# Altium PCB PCB1.PcbDoc (part 2 of 4)
Units mil, origin at the board's own origin, x right, y up, seen from the top; angles counter-clockwise.
Board outline 6000 x 4000 mil, 2 copper layers (Top Layer, Bottom Layer); 926 components, 952 nets, 4644 pads, 239 vias.
Unrouted connection lines stored in the file: 3361.
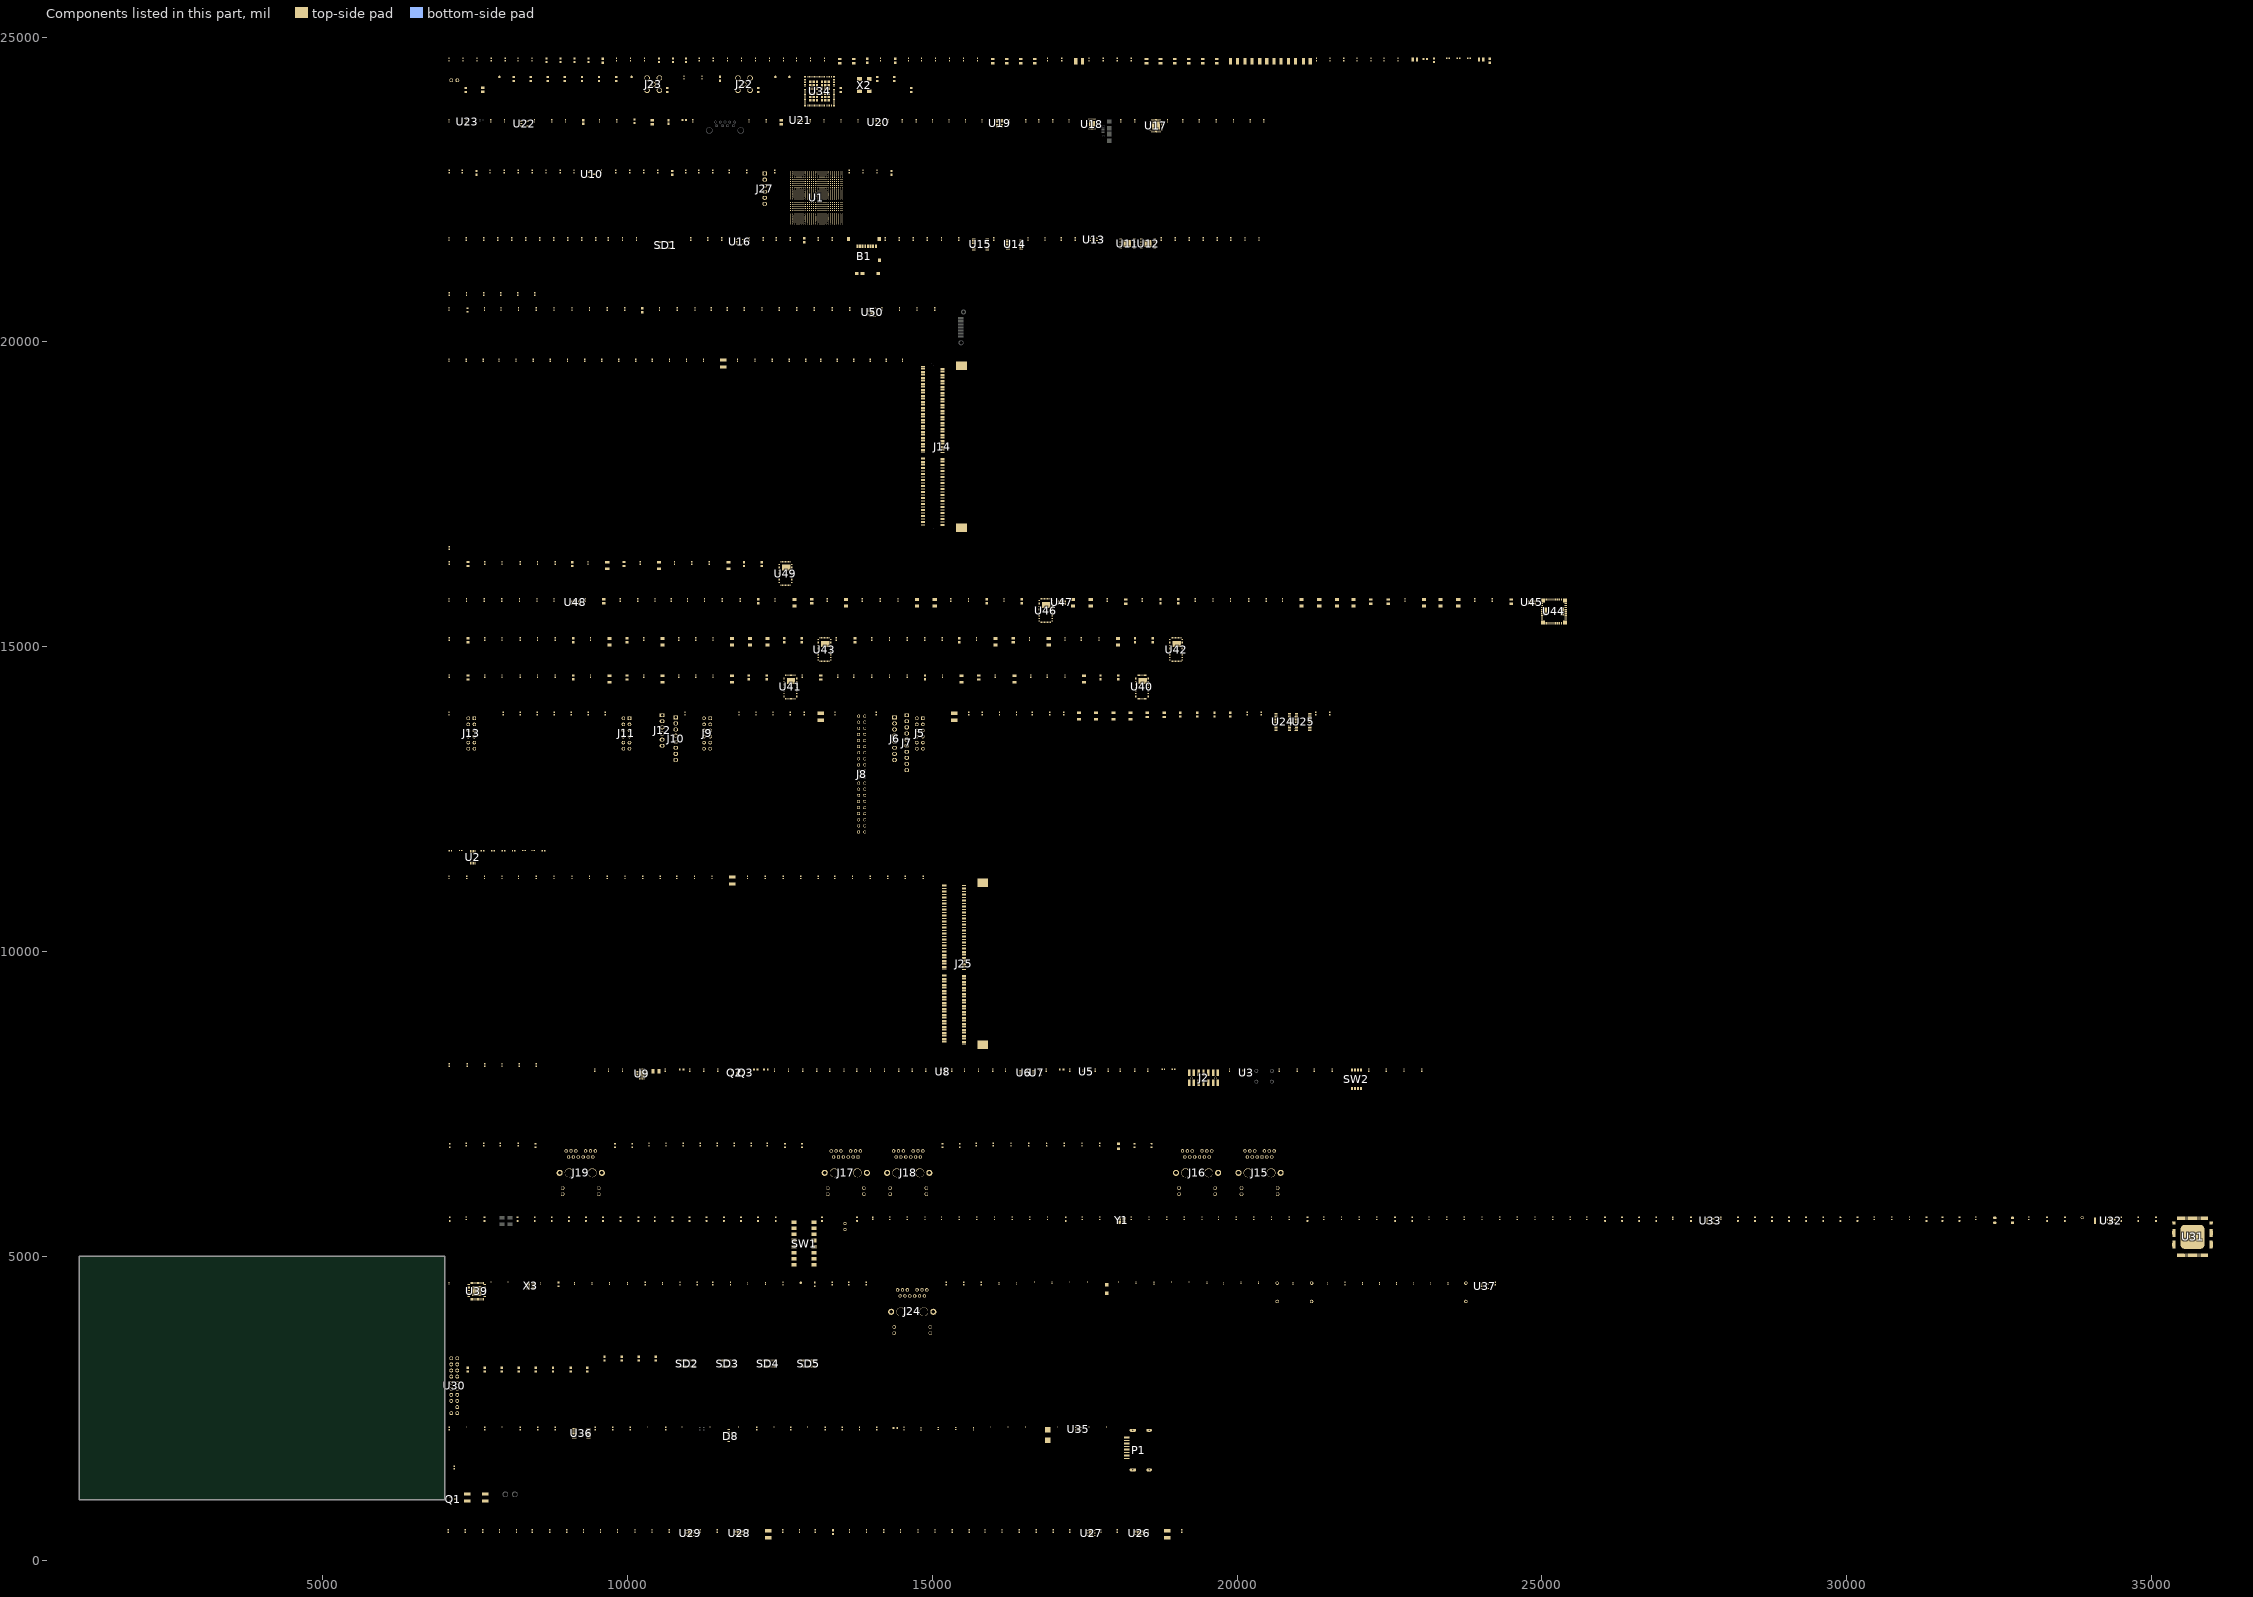
[diagram p2: the components of this part, seen from the top]

## Components (designator, comment, footprint, x,y, rotation, side; value= is the part's Value field where it differs from the comment) (continued)
R127 "RES0402_100K_0W2_1T" RESC1005L_0402 10680,489.69 r90 top
R128 "RES0402_40K2_0W1_1T" RESC1005L_0402 9000,489.69 r90 top
R129 "RES0402_10K_0W1_05T" RESC1005L_0402 8720,489.69 r90 top
R130 "RES0402_10K_0W1_05T" RESC1005L_0402 7620,489.69 r90 top
R131 "RES0402_240R_0W1_1T" RESC1005L_0402 7075,16620 r90 top
R132 "51k" RESC1608X55N 9620,3315 r90 top
R133 "51k" RESC1608X55N 9900,3315 r90 top
R134 "51k" RESC1608X55N 10180,3315 r90 top
R135 "51k" RESC1608X55N 10460,3315 r90 top
R136 "Resistor" RES_C_0603 18600,6815 r90 top
R137 "Resistor" RES_C_0603 18320,6815 r90 top
R138 "Resistor" RES_C_0603 15450,6815 r90 top
R139 "Resistor" RES_C_0603 15170,6815 r90 top
R140 "Resistor" RES_C_0603 12580,6815 r90 top
R141 "Resistor" RES_C_0603 12860,6815 r90 top
R142 "Resistor" RES_C_0603 9795,6815 r90 top
R143 "Resistor" RES_C_0603 10075,6815 r90 top
R144 "Resistor" RES_C_0603 8490,6815 r90 top
R145 "Resistor" RES_C_0603 7080,6815 r90 top
R146 "Resistor" RES_C_0603 35080,5605 r90 top
R147 "Resistor" RES_C_0603 34510,5605 r90 top
R148 "Resistor" RES_C_0603 33585,5605 r90 top
R149 "Resistor" RES_C_0603 31855,5605 r90 top
R150 "Resistor" RES_C_0603 31575,5605 r90 top
R151 "Resistor" RES_C_0603 31315,5605 r90 top
R152 "Resistor" RES_C_0603 30180,5605 r90 top
R153 "Resistor" RES_C_0603 29900,5605 r90 top
R154 "Resistor" RES_C_0603 29620,5605 r90 top
R155 "Resistor" RES_C_0603 29340,5605 r90 top
R156 "Resistor" RES_C_0603 28220,5605 r90 top
R157 "Resistor" RES_C_0603 28500,5605 r90 top
R158 "Resistor" RES_C_0603 28780,5605 r90 top
R159 "Resistor" RES_C_0603 29060,5605 r90 top
R160 "RES0402_10K_0W1_05T" RESC1005L_0402 27935,5620 r90 top
R161 "Resistor" RES_C_0603 27450,5605 r90 top
R162 "Resistor" RES_C_0603 26880,5605 r90 top
R163 "Resistor" RES_C_0603 26600,5605 r90 top
R164 "Resistor" RES_C_0603 26320,5605 r90 top
R165 "Resistor" RES_C_0603 26040,5605 r90 top
R166 "Resistor" RES_C_0603 22875,5605 r90 top
R167 "Resistor" RES_C_0603 22595,5605 r90 top
R168 "Resistor" RES_C_0603 21155,5605 r90 top
R169 "Resistor" RES_C_0603 17190,5605 r90 top
R170 "RES0402" RESC1005L_0402 14020,5620 r90 top
R171 "Resistor" RES_C_0603 13765,5605 r90 top
R172 "Resistor" RES_C_0603 13190,5605 r90 top
R173 "Resistor" RES_C_0603 12430,5605 r90 top
R174 "Resistor" RES_C_0603 11015,5605 r90 top
R175 "Resistor" RES_C_0603 10735,5605 r90 top
R176 "Resistor" RES_C_0603 9315,5605 r90 top
R177 "Resistor" RES_C_0603 9035,5605 r90 top
R178 "Resistor" RES_C_0603 8755,5605 r90 top
R179 "Resistor" RES_C_0603 8475,5605 r90 top
R180 "Resistor" RES_C_0603 8195,5605 r90 top
R181 "Resistor" RES_C_0603 7650,5605 r90 top
R182 "Resistor" RES_C_0603 7080,5605 r90 top
R183 "4k7" RESC1608X55N 14095,24315 r90 top
R184 "4k7" RESC1608X55N 14375,24315 r90 top
R185 "10k" RESC1608X55N 8130,24315 r90 top
R186 "10k" RESC1608X55N 8410,24315 r90 top
R187 "10k" RESC1608X55N 8690,24315 r90 top
R188 "10k" RESC1608X55N 8970,24315 r90 top
R189 "10k" RESC1608X55N 9250,24315 r90 top
R190 "10k" RESC1608X55N 9530,24315 r90 top
R191 "10k" RESC1608X55N 9810,24315 r90 top
R192 "RES0402_18K2" RES_CRCW_0402 15675,2165 r90 top
R193 "RES0402_4K02" RC0402N 14815,2160 r90 top
R194 "RES0402_1M" RESC1005L_0402 14535,2170 r90 top
R195 "RES0402_1M" RESC1005L_0402 14085,2170 r90 top
R196 "RES0402_240R_0W1_1T" RESC1005L_0402 13805,2170 r90 top
R197 "RES0402_10R" RESC1005L_0402 13525,2170 r90 top
R198 "RES0402_0R" RESC1005L_0402 13245,2170 r90 top
R199 "RES0402_100K_0W2_1T" RESC1005L_0402 12675,2170 r90 top
R200 "RES0402_0R_0W1" RESC1005L_0402 12115,2170 r90 top
R201 "RES0402_2K49_0W1_1T" RESC1005L_0402 10625,2170 r90 top
R202 "RES0402_1K5" RESC1005L_0402 10045,2170 r90 top
R203 "RES0402_49.9" RESC1005L_0402 9465,2170 r90 top
R204 "RES0402_49.9" RESC1005L_0402 9755,2170 r90 top
R205 "RES0402_0R" RESC1005L_0402 8525,2170 r90 top
R206 "RES0402_100K_0W2_1T" RESC1005L_0402 8815,2170 r90 top
R207 "RES0402_0R" RESC1005L_0402 8235,2170 r90 top
R208 "RES0402_0R" RESC1005L_0402 7655,2170 r90 top
R209 "RES0402_100K_0W2_1T" RESC1005L_0402 7075,2170 r90 top
R210 "RES0402_10K_0W1_05T" RESC1005L_0402 24235,4550 r90 top
R211 "Res1" AXIAL-0.3 23755,4405 r90 top
R212 "CRCW02012K49FKED" RC0201N 23180,4550 r90 top
R213 "ERJ-1GEF5761C" RC0201N 23460,4550 r90 top
R214 "ERJ-1GEF5761C" RC0201N 22620,4550 r90 top
R215 "CRCW02012K49FKED" RC0201N 22900,4550 r90 top
R216 "CRCW02012K49FKED" RC0201N 22060,4550 r90 top
R217 "ERJ-1GEF5761C" RC0201N 22340,4550 r90 top
R218 "Res1" AXIAL-0.3 21225,4405 r90 top
R219 "CRCW02012K49FKED" RC0201N 21490,4550 r90 top
R220 "CRCW02012K49FKED" RC0201N 20920,4550 r90 top
R221 "Res1" AXIAL-0.3 20660,4405 r90 top
R222 "CRCW02012K49FKED" RC0201N 19775,4550 r90 top
R223 "CRCW0201240RFNED" RESC0603X28N 18635,4550 r90 top
R224 "ERJ-1GEF5761C" RC0201N 16385,4550 r90 top
R225 "CRCW02012K49FKED" RC0201N 16095,4550 r90 top
R226 "RES0402_0R" RESC1005L_0402 15805,4550 r90 top
R227 "RES0402_0R" RESC1005L_0402 15515,4550 r90 top
R228 "RES0402_0R" RESC1005L_0402 15225,4550 r90 top
R229 "RES0402_0R" RESC1005L_0402 13915,4550 r90 top
R230 "RES0402_0R" RESC1005L_0402 13625,4550 r90 top
R231 "RES0402_0R" RESC1005L_0402 13355,4550 r90 top
R232 "Resistor" RES_C_0603 13070,4535 r90 top
R233 "ERJ-1GEF5761C" RC0201N 12260,4550 r90 top
R234 "CRCW02012K49FKED" RC0201N 11970,4550 r90 top
R235 "RES0402_0R_0W1" RESC1005L_0402 11400,4550 r90 top
R236 "ERJ-1GEF2211C" RC0201N 10570,4550 r90 top
R237 "ERJ-1GEF2211C" RC0201N 10000,4550 r90 top
R238 "ERJ-1GEF2211C" RC0201N 9705,4550 r90 top
R239 "ERJ-1GEF2211C" RC0201N 9415,4550 r90 top
R240 "ERJ-1GEF2211C" RC0201N 9125,4550 r90 top
R241 "Resistor" RES_C_0603 8865,4535 r90 top
R242 "ERJ-1GEF2211C" RC0201N 8565,4550 r90 top
R243 "CRCW020111K0FKED" RES_V0201 7070,4555 r90 top
R244 "RES0402" RESC1005L_0402 7655,8135 r90 top
R245 "RES0402_10K_0W1_05T" RESC1005L_0402 7365,8135 r90 top
R246 "RES0402_100R_0W1_1T" RESC1005L_0402 7075,8135 r90 top
R247 "RES0402_100R_0W1_1T" RESC1005L_0402 14850,11215 r90 top
R248 "RES0402_4K7_0W1_1T" RESC1005L_0402 12260,11215 r90 top
R249 "RES0402_4K7_0W1_1T" RESC1005L_0402 12550,11215 r90 top
R250 "RES0402_4K7_0W1_1T" RESC1005L_0402 12840,11215 r90 top
R251 "RES0402_4K7_0W1_1T" RESC1005L_0402 13130,11215 r90 top
R252 "RES0402_4K7_0W1_1T" RESC1005L_0402 13400,11215 r90 top
R253 "RES0402_4K7_0W1_1T" RESC1005L_0402 13690,11215 r90 top
R254 "RES0402_4K7_0W1_1T" RESC1005L_0402 13980,11215 r90 top
R255 "RES0402_4K7_0W1_1T" RESC1005L_0402 14270,11215 r90 top
R256 "RES0402_100R_0W1_1T" RESC1005L_0402 10245,11215 r90 top
R257 "RES0402_10R_0W1_1T" RESC1005L_0402 16035,14515 r90 top
R258 "RES0402_100K_0W2_1T" RESC1005L_0402 16885,14515 r90 top
R259 "RES0402_4K7_0W1_1T" RESC1005L_0402 14585,14515 r90 top
R260 "RES0402_165K_0W1_1T" RESC1005L_0402 14005,14515 r90 top
R261 "RES0402_100K_0W2_1T" RESC1005L_0402 13445,14515 r90 top
R262 "RES0402_100R_0W1_1T" RESC1005L_0402 12865,14515 r90 top
R263 "RES0402_10R_0W1_1T" RESC1005L_0402 10265,14515 r90 top
R264 "RES0402_100K_0W2_1T" RESC1005L_0402 11115,14515 r90 top
R265 "RES0402_4K7_0W1_1T" RESC1005L_0402 8815,14515 r90 top
R266 "RES0402_165K_0W1_1T" RESC1005L_0402 8235,14515 r90 top
R267 "RES0402_100K_0W2_1T" RESC1005L_0402 7655,14515 r90 top
R268 "RES0402_100R_0W1_1T" RESC1005L_0402 7075,14515 r90 top
R269 "RES0402_10R_0W1_1T" RESC1005L_0402 16595,15125 r90 top
R270 "RES0402_100K_0W2_1T" RESC1005L_0402 17445,15125 r90 top
R271 "RES0402_4K7_0W1_1T" RESC1005L_0402 15165,15125 r90 top
R272 "RES0402_750K_0W1_1T" RESC1005L_0402 14585,15125 r90 top
R273 "RES0402_100K_0W2_1T" RESC1005L_0402 14005,15125 r90 top
R274 "RES0402_100R_0W1_1T" RESC1005L_0402 13425,15125 r90 top
R275 "RES0402_10R_0W1_1T" RESC1005L_0402 10265,15125 r90 top
R276 "RES0402_100K_0W2_1T" RESC1005L_0402 11115,15125 r90 top
R277 "RES0402_4K7_0W1_1T" RESC1005L_0402 8815,15125 r90 top
R278 "RES0402_750K_0W1_1T" RESC1005L_0402 8235,15125 r90 top
R279 "RES0402_100K_0W2_1T" RESC1005L_0402 7655,15125 r90 top
R280 "RES0402_100R_0W1_1T" RESC1005L_0402 7075,15125 r90 top
R281 "RES0402_26K1_0W1_1T" RESC1005L_0402 20480,15765 r90 top
R282 "RES0402_10K_0W1_05T" RESC1005L_0402 20190,15765 r90 top
R283 "RES0402_100K_0W2_1T" RESC1005L_0402 19315,15765 r90 top
R284 "RES0402_316R_0W06_1T" RESC1005L_0402 18445,15765 r90 top
R285 "RES0402_90K9_0W1_1T" RESC1005L_0402 17870,15765 r90 top
R286 "RES0402_10R_0W1_1T" RESC1005L_0402 13275,15765 r90 top
R287 "RES0402_100K_0W2_1T" RESC1005L_0402 14145,15765 r90 top
R288 "RES0402_14K_0W1_1T" RESC1005L_0402 15305,15765 r90 top
R289 "RES0402_4K7_0W1_1T" RESC1005L_0402 11845,15765 r90 top
R290 "RES0402_10K_0W1_05T" RESC1005L_0402 11555,15765 r90 top
R291 "RES0402_47K_0W1" RESC1005L_0402 10715,15765 r90 top
R292 "RES0402_24K_0W1" RESC1005L_0402 10165,15765 r90 top
R293 "RES0402_100K_0W2_1T" RESC1005L_0402 9875,15765 r90 top
R294 "RES0402_100R_0W1_1T" RESC1005L_0402 9305,15765 r90 top
R295 "RES0402_40K2_0W1_1T" RESC1005L_0402 8225,15765 r90 top
R296 "RES0402" RESC1005L_0402 7935,15765 r90 top
R297 "RES0402_0R" RESC1005L_0402 7645,15765 r90 top
R298 "RES0402_10K_0W1_05T" RESC1005L_0402 7355,15765 r90 top
R299 "RES0402_10R_0W1_1T" RESC1005L_0402 10205,16375 r90 top
R300 "RES0402_100K_0W2_1T" RESC1005L_0402 11055,16375 r90 top
R301 "RES0402_4K7_0W1_1T" RESC1005L_0402 8815,16375 r90 top
R302 "RES0402_750K_0W1_1T" RESC1005L_0402 8235,16375 r90 top
R303 "RES0402_100K_0W2_1T" RESC1005L_0402 7655,16375 r90 top
R304 "RES0402_100R_0W1_1T" RESC1005L_0402 7075,16375 r90 top
R305 "RES0402_0R_0W1" RESC1005L_0402 13645,20540 r90 top
R306 "RES0402_500R_0W05_01T" RESC1005L_0402 13355,20540 r90 top
R307 "RES0402_10K_0W1_05T" RESC1005L_0402 12775,20540 r90 top
R308 "RES0402_10K_0W1_05T" RESC1005L_0402 13065,20540 r90 top
R309 "RES0402_0R_0W1" RESC1005L_0402 12485,20540 r90 top
R310 "RES0402" RESC1005L_0402 12205,20540 r90 top
R311 "RES0402_10K_0W1_05T" RESC1005L_0402 11375,20540 r90 top
R312 "RES0402_10K_0W1_05T" RESC1005L_0402 11635,20540 r90 top
R313 "RES0402_2R_0W1_1T" RESC1005L_0402 9955,20540 r90 top
R314 "RES0402_22R_0W1_1T" RESC1005L_0402 8475,20785 r90 top
R315 "RES0402_22R_0W1_1T" RESC1005L_0402 8195,20785 r90 top
R316 "RES0402_22R_0W1_1T" RESC1005L_0402 7915,20785 r90 top
R317 "RES0402_22R_0W1_1T" RESC1005L_0402 7635,20785 r90 top
R318 "RES0402_22R_0W1_1T" RESC1005L_0402 7355,20785 r90 top
R319 "RES0402_22R_0W1_1T" RESC1005L_0402 7075,20785 r90 top
R320 "RES0402_0R_0W1" RESC1005L_0402 11665,22795 r90 top
R321 "RES0402_0R_0W1" RESC1005L_0402 11395,22795 r90 top
R322 "RES0402_4K7_0W1_1T" RESC1005L_0402 22160,8050 r90 top
R323 "RES0402_4K7_0W1_1T" RESC1005L_0402 22450,8050 r90 top
R324 "RES0402_4K7_0W1_1T" RESC1005L_0402 22740,8050 r90 top
R325 "RES0402_4K7_0W1_1T" RESC1005L_0402 23030,8050 r90 top
R326 "RES0402_499R_0W1_1T" RESC1005L_0402 20695,8050 r90 top
R327 "RES0402_499R_0W1_1T" RESC1005L_0402 20985,8050 r90 top
R328 "RES0402_499R_0W1_1T" RESC1005L_0402 21270,8050 r90 top
R329 "RES0402_499R_0W1_1T" RESC1005L_0402 21560,8050 r90 top
SD1 "GB042-34P-H10" GB042-34P-H10 10625,21585 r0 top
SD2 "GB042-34P-H10" GB042-34P-H10 10980,3235 r0 top
SD3 "GB042-34P-H10" GB042-34P-H10 11645,3235 r0 top
SD4 "GB042-34P-H10" GB042-34P-H10 12310,3235 r0 top
SD5 "GB042-34P-H10" GB042-34P-H10 12970,3235 r0 top
SW1 "SPST 8POS" SW_SM_8POS24V_TE 12895,5205 r0 top
SW2 "TDA04H0SB1R" 4POS_DIP_SWITCH 21960,7900 r0 top
TP1 "Jumper" TP_PAD51D36 33870,5630 r90 top
TP2 "TP" TP 12425,24350 r90 top
TP3 "TP" TP 12655,24350 r90 top
TP4 "TP" TP 10065,24350 r90 top
TP5 "TP" TP 7895,24350 r90 top
TP6 "TP" TP 12840,4560 r90 top
U1 "XCZU3EG-1SFVC784I" BGA784x28 13095,22365 r0 top
U2 "PCA9517DP,118" MSOP8_PCA9517DP,118 7460,11545 r90 top
U3 "BAT400D-7-F" "BAT400D-7-F _SOT23" 20150,8005 r0 top
U5 "SN74AVC1T45DCKR" DCK0006A_N 17525,8025 r0 top
U6 "SN74LVC1G08DBVR" DBV0005A_N 16500,8005 r0 top
U7 "SN74LVC1G08DBVR" DBV0005A_N 16715,8005 r0 top
U8 "ASDMB-33.333MHZ-LY-T" ASDMB 15175,8025 r0 top
U9 "MAX16025TE+" T1644+4_L 10230,7990 r0 top
U10 "REF3012AIDBZT" TI-DBZ3_N 9410,22750 r0 top
U11 "MT25QU256ABA1EW7-0SIT" W-PDFN-8_6x5mm 18200,21615 r0 top
U12 "MT25QU256ABA1EW7-0SIT" W-PDFN-8_6x5mm 18540,21615 r0 top
U13 "AT34C02D-MAHM" UDFN_9 17645,21675 r0 top
U14 "TCA9543APWR" TSOP_PW14_L 16350,21600 r0 top
U15 "TCA9534PWR" TSOP_PW16_L 15790,21600 r0 top
U16 "SN74LVC1G08DBVR" DBV0005A_N 11840,21645 r0 top
U17 "USB3320C-EZK" QFN50P500X500X100_HS-33N 18670,23550 r0 top
U18 "CP2104-F03-GM" SLAB-QFN-24-2675x2675TP_L 17620,23575 r0 top
U19 "SP0503BAHTG" SP0503BAHT_SOT143 16105,23590 r0 top
U20 "ASDMB-24.000MHZ-LY-T" ASDMB 14110,23605 r0 top
U21 "MIC2544-1YMM" TPD4E05U06DQAR 12830,23635 r0 top
U22 "SN74LVC1G08DBVR" DBV0005A_N 8305,23585 r0 top
U23 "TPD4E05U06DQAR" TPD4E05U06DQAR 7365,23610 r90 top
U24 "TCA6416APWR" PW24_L 20750,13765 r0 top
U25 "TCA6416APWR" PW24_L 21085,13765 r0 top
U26 "TPS51200DRCT" DRC_S-PVSON-N10 18395,449.69 r0 top
U27 "MAX15027" MAX15027_T1033+1_V 17605,454.69 r0 top
U28 "TPS51200DRCT" DRC_S-PVSON-N10 11830,449.69 r0 top
U29 "MAX15027" MAX15027_T1033+1_V 11025,454.69 r0 top
U30 "TPM_header" "PIN HEADER 20POS" 7035,2630 r90 top
U31 "KSZ9477S" TQFP-128_14x14_EP10x10 35680,5315 r0 top
U32 "MIC23303YML" DFN-12_3x3 34340,5580 r0 top
U33 "SN74LVC1G08DBVR" DBV0005A_N 27765,5575 r0 top
U34 "WL1835" E-13.4X13.3-N100_0.75-TOP 12885,23855 r0 top
U35 "MAX8902BATA+T" 21-0168E_T822-1 17395,2155 r0 top
U36 "FIN1019MTCX" TSOP65P640X120-14N 9240,2090 r0 top
U37 "SN74LVC1G08DBVR" DBV0005A_N 24065,4505 r0 top
U39 "DP83867IRRGZ" QFN50P700X700X100_HS-49N 7525,4425 r0 top
U40 "EN5367QI" QFN54-EN5367QI 18440,14340 r90 top
U41 "EN5367QI" QFN54-EN5367QI 12670,14340 r90 top
U42 "EN5367QI" QFN54-EN5367QI 19000,14950 r90 top
U43 "EN5367QI" QFN54-EN5367QI 13230,14950 r90 top
U44 "LMZ31710RVQR" LMZ31710RVQR 25200,15580 r0 top
U45 "MAX15027" MAX15027_T1033+1_V 24835,15730 r0 top
U46 "EN5367QI" QFN54-EN5367QI 16860,15590 r90 top
U47 "MAX15027" MAX15027_T1033+1_V 17125,15730 r0 top
U48 "MAX15027" MAX15027_T1033+1_V 9140,15730 r0 top
U49 "EN5367QI" QFN54-EN5367QI 12590,16200 r90 top
U50 "5P49V5935B000LTGI" LGA24_5P49V5935B000LTGI 14015,20490 r0 top
X1 "ABS07AIG-32.768KHZ-1-T" ABS07 10465,8030 r0 top
X2 "32.768MHz" OSCSC508P500X700X180-4N 13885,24215 r0 top
X3 "ABM8G-25.000MHZ-18-D2Y-T" ABM8G 8410,4510 r0 top
Y1 "XTAL 25MHz 4 pins 3225" XTAL_4PIN_3M2X2M5 18110,5585 r0 top

## Footprints (in the part's own frame and the unit in brackets; to place one, negate y for a bottom-side part, rotate by r counter-clockwise, add the part's x,y. Pads: shape width x height; smd on the part's side, far side on the other; paste and mask are expansions set on the pad)
3.2X1.6X1.1 [mm] "SMT LED; 2 Flat Leads"
  rect 1.5x1.5 smd: 1(-1.75,0) 2(1.75,0)
  silkscreen extent -2.9,-1.15 3.2,1.15
4POS_DIP_SWITCH [mm] "SWITCH SLIDE DIP SPST 1.27mm pitch"
  rect 0.76x1.27 smd paste-2 mask+0.1: 1(-1.905,-3.81) 2(-0.635,-3.81) 3(0.635,-3.81) 4(1.905,-3.81) 5(1.905,3.81) 6(0.635,3.81) 7(-0.635,3.81) 8(-1.905,3.81)
  silkscreen extent -2.89,-4.88 -2.71,-4.7, body extent -3.11,-4.06 3.11,4.06, height 2.35
21-0168E_T822-1 [mil]
  rect 28x12 smd: 1(-39.5,29.53) 2(-39.5,9.84) 3(-39.5,-9.84) 4(-39.5,-29.53) 5(39.5,-29.53) 6(39.5,-9.84) 7(39.5,9.84) 8(39.5,29.53)
  rect 32x55 smd paste-27: 9(0,0)
  silkscreen extent -70,-46 18,46, body extent -41,-39 41,39, height 31
8470-2-2-X [mm]
  oval 0.28x2.4 smd: 1(5.5,7.142) 2(5,7.142) 3(4.5,7.142) 4(4,7.142) 5(3.5,7.142) 6(3,7.142) 7(2.5,7.142) 8(2,7.142) 9(1.5,7.142) 10(1,7.142) 11(0.5,7.142) 12(0,7.142) 13(-0.5,7.142) 14(-1,7.142) 15(-1.5,7.142) 16(-2,7.142) 17(-2.5,7.142) 18(-3,7.142) 19(-3.5,7.142) 20(-4,7.142)
  oval 1.2x2.8 hole 0.6 slot 2.2 at 90 deg: F1(8.25,4.542) F3(-8.25,4.542)
  oval 1.2x2.3 hole 0.6 slot 1.7 at 90 deg: F2(8.25,-2.238) F4(-8.25,-2.238)
  round 0 hole 1.4 unplated: H1(0,-3.138)
  silkscreen extent -8.45,-6 8.45,8.25, body extent -8.89,-7.45 8.89,7.44, height 6.65
502570-0893_1 [mm] "CONN MICRO SD CARD PUSH-PUSH R/A"
  rect 0.8x1.5 smd: 1(-9.15,-3.9) 2(-8.05,-3.9) 3(-6.95,-3.9) 4(-5.85,-3.9) 5(-4.75,-3.9) 6(-3.65,-3.9) 7(-2.55,-3.9) 8(-1.45,-3.9)
  rect 1.5x1.15 smd: 9(-7.025,-15.325) MP(-9.325,-15.325) MP(-0.425,-15.325)
  rect 1.15x1.5 smd: 10(0.125,-9.75)
  rect 1.4x1.7 smd: MP(-12.875,-0.85) MP(0,-0.85)
  silkscreen extent -14.15,-15.55 0.45,-0.15, body extent -13.4,-15.6 0.4,-0.1, height 1.81
0878321420 [mm] "CONN HEADER 14POS 2MM VERT SMD"
  rect 1x2.75 smd paste+0.05 mask+0.05: 1(-6,-2.13) 2(-6,2.13) 3(-4,-2.13) 4(-4,2.13) 5(-2,-2.13) 6(-2,2.13) 7(0,-2.13) 8(0,2.13) 9(2,-2.13) 10(2,2.13) 11(4,-2.13) 12(4,2.13) 13(6,-2.13) 14(6,2.13)
  round 1 hole 1 unplated paste-2 mask+0.1: MH(-5,0) MH(5,0)
  silkscreen extent -7.3,-4.4 -6.9,-4, body extent -8.32,-3.15 8.33,3.15, height 7.6
ABM8G [mm] "Abracon ABM8G Series Crystals"
  rect 1.4x1.2 smd mask+0.05: 1(-1.1,-0.85) 2(1.1,-0.85) 3(1.1,0.85) 4(-1.1,0.85)
  silkscreen extent -2.6,-2.2 -2.2,-1.8, body extent -1.6,-1.24 1.6,1.24, height 0.99
ABS07 [mm] "Abracon ABS07 Series Crystals"
  rect 1.1x1.9 smd mask+0.05: 1(-1.25,0) 2(1.25,0)
  body extent -1.6,-0.75 1.6,0.75, height 0.89